# KiCad board element_foxtrot.kicad_pcb
title: VST104 Element Foxtrot; date: 2020-08-20; rev: v1.0; company: VisionSpace Technologies; note: 4 slot flat-sat board with power management
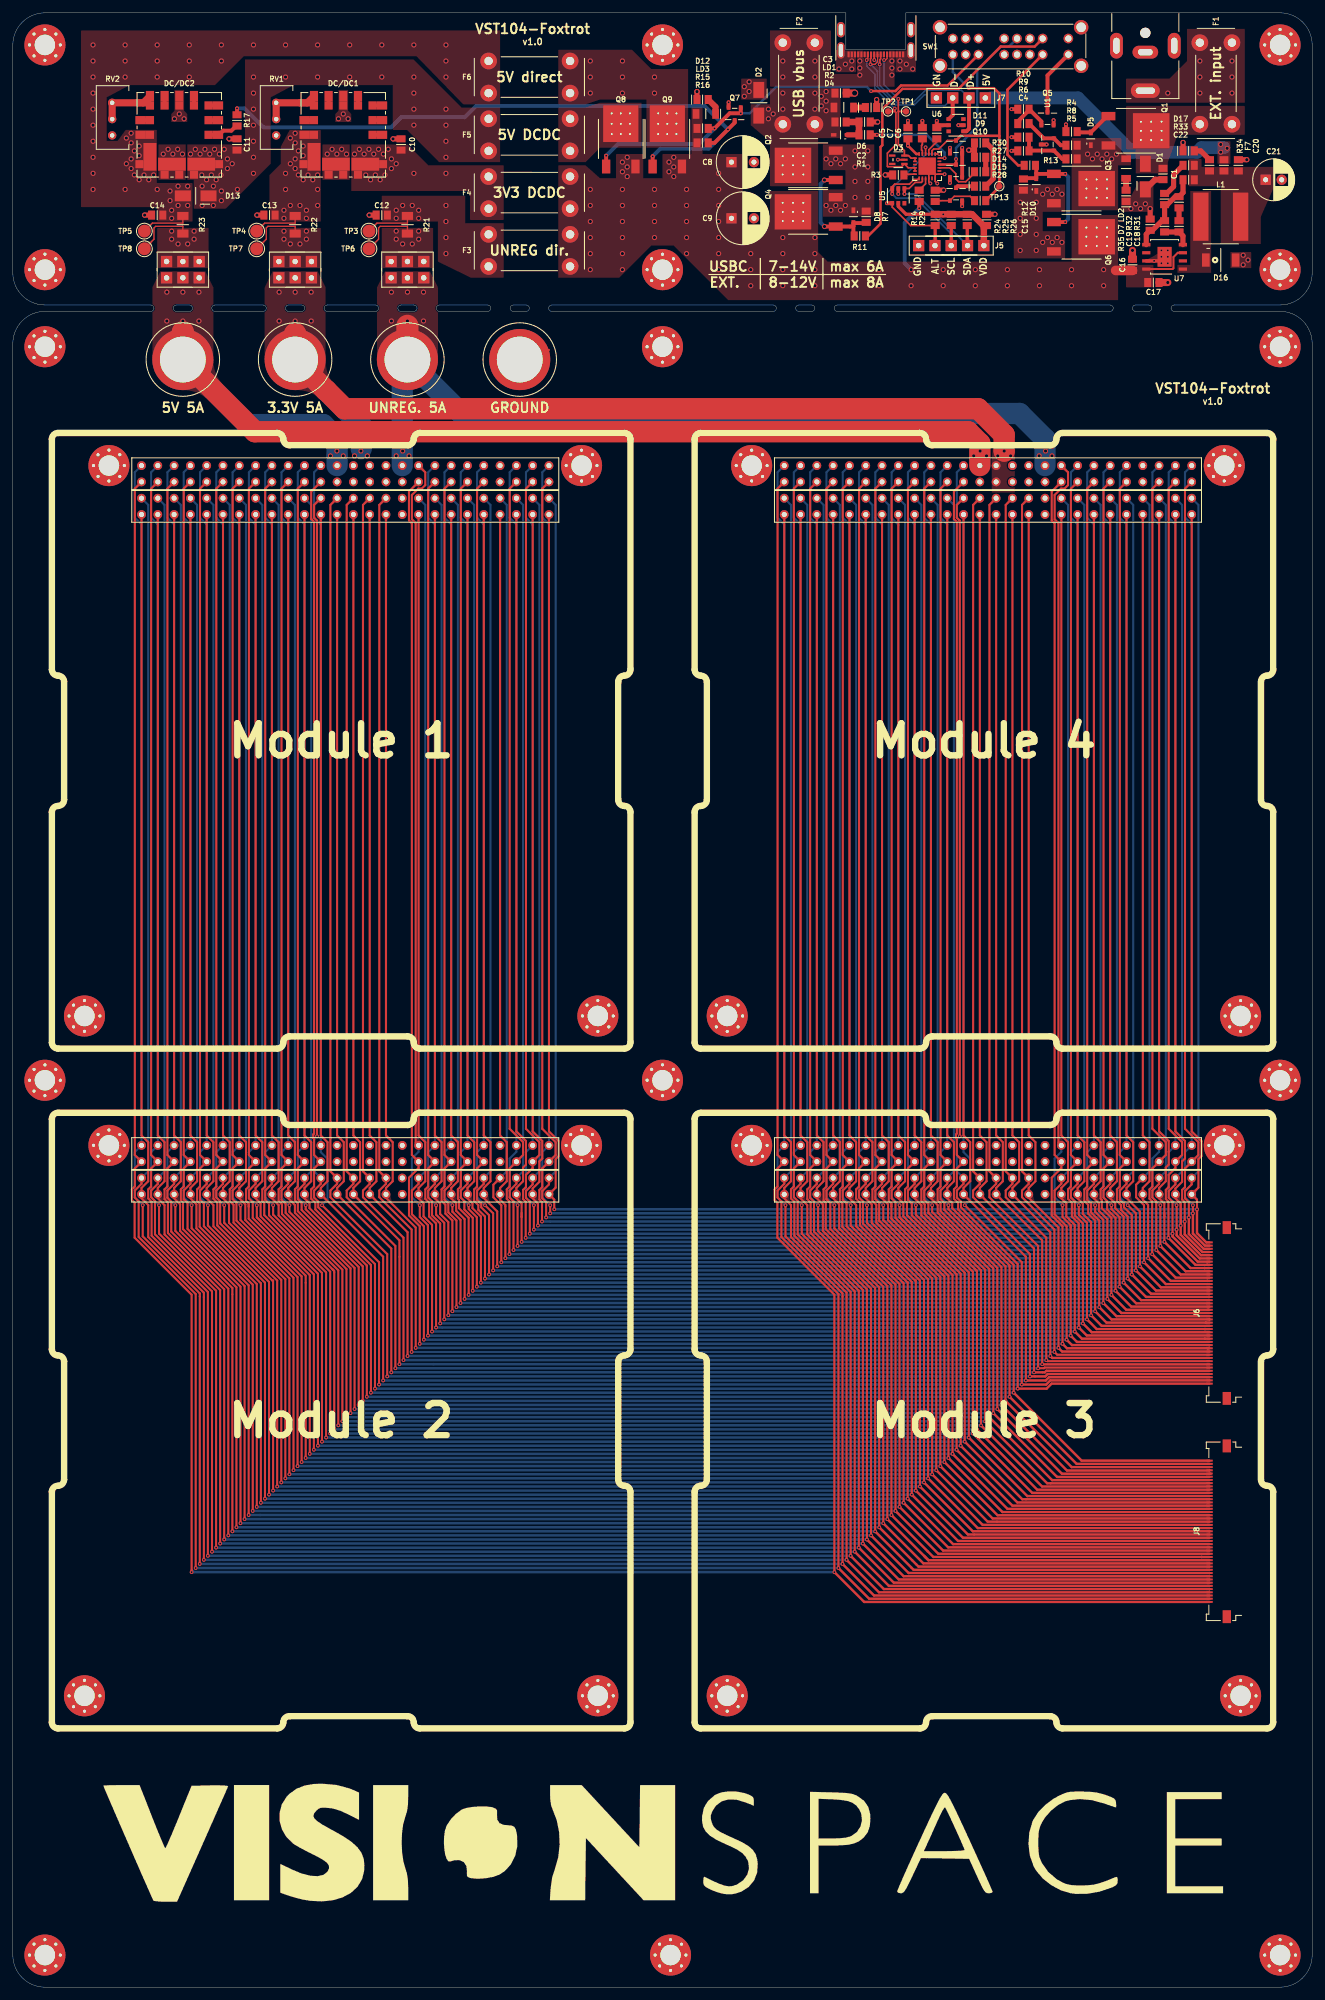
[diagram p0: board, top side]
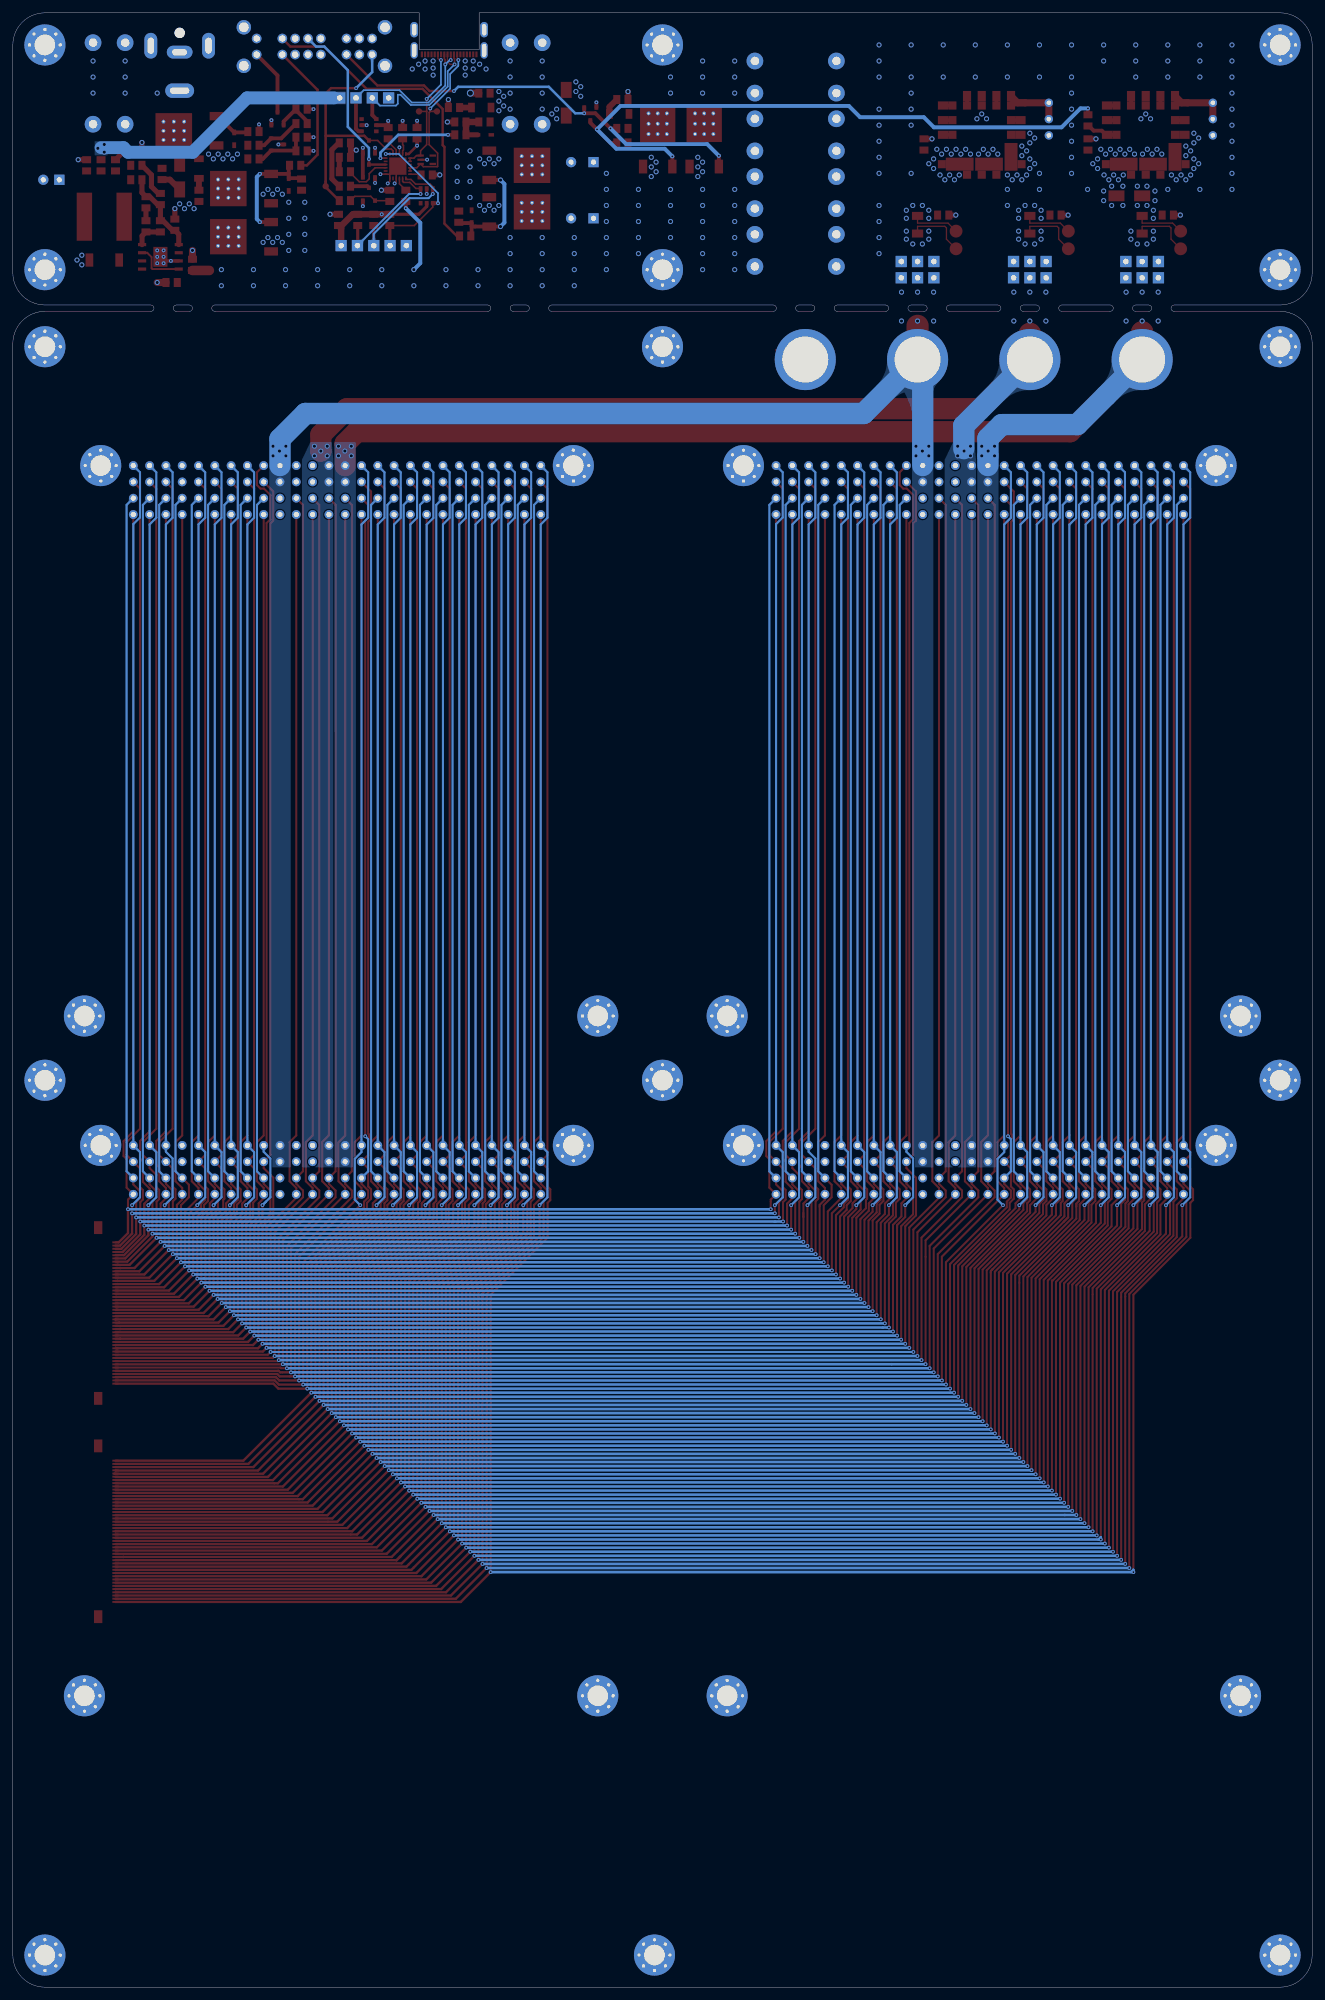
[diagram p1: board, bottom side, seen from below]

Outline 202.5 x 307.5 mm; copper layers: Top, In1.Cu (plane), In2.Cu (plane), Bottom. Coordinates in mm from the lower left corner of the outline.
Outline path: 0,302.5 arc(1.46,306.04) 5,307.5 129.83,307.5 129.83,301.78 139.18,301.78 139.18,307.5 197.5,307.5 arc(201.04,306.04) 202.5,302.5 202.5,267 arc(201.04,263.46) 197.5,262 181,262 arc(180.5,261.5) 181,261 197.5,261 arc(201.04,259.54) 202.5,256 202.5,5 arc(201.04,1.46) 197.5,0 5,0 arc(1.46,1.46) 0,5 0,256 arc(1.46,259.54) 5,261 21.5,261 arc(22,261.5) 21.5,262 5,262 arc(1.46,263.46) 0,267 0,302.5 ; 25.5,261 arc(25,261.5) 25.5,262 27.5,262 arc(28,261.5) 27.5,261 25.5,261 ; 31.5,261 arc(31,261.5) 31.5,262 39,262 arc(39.5,261.5) 39,261 31.5,261 ; 43,261 arc(42.5,261.5) 43,262 45,262 arc(45.5,261.5) 45,261 43,261 ; 49,261 arc(48.5,261.5) 49,262 56.5,262 arc(57,261.5) 56.5,261 49,261 ; 60.5,261 arc(60,261.5) 60.5,262 62.5,262 arc(63,261.5) 62.5,261 60.5,261 ; 66.5,261 arc(66,261.5) 66.5,262 74,262 arc(74.5,261.5) 74,261 66.5,261 ; 78,261 arc(77.5,261.5) 78,262 80,262 arc(80.5,261.5) 80,261 78,261 ; 84,261 arc(83.5,261.5) 84,262 118.5,262 arc(119,261.5) 118.5,261 84,261 ; 122.5,261 arc(122,261.5) 122.5,262 124.5,262 arc(125,261.5) 124.5,261 122.5,261 ; 128.5,261 arc(128,261.5) 128.5,262 171,262 arc(171.5,261.5) 171,261 128.5,261 ; 175,261 arc(174.5,261.5) 175,262 177,262 arc(177.5,261.5) 177,261 175,261

## Placement (name value [footprint] x y rotation side)
C1  100p  [C_SMD_0805]  179.25 282.4 90 top
C2  1u  [C_SMD_0805]  132.75 290.5 180 top
C3  4u7  [C_SMD_0805]  129 295 180 top
C4  1n  [C_SMD_0805]  157.5 286 180 top
C5  1u  [C_SMD_0805]  139.5 288.75 270 top
C6  1u  [C_SMD_0805]  144 288.75 270 top
C7  1u  [C_SMD_0805]  141.75 288.75 270 top
C8  470u  [CP_Radial_D8.0mm_P3.50mm_L11.5mm]  113.75 284.25 0 top
C9  470u  [CP_Radial_D8.0mm_P3.50mm_L11.5mm]  113.75 275.5 0 top
C10  22u  [C_SMD_0805]  60.5 287 90 top
C11  22u  [C_SMD_0805]  34.94 287 90 top
C12  10u  [C_SMD_0805]  57.5 276 180 top
C13  10u  [C_SMD_0805]  40 276 180 top
C14  10u  [C_SMD_0805]  22.5 276 180 top
C15  1u  [C_SMD_0805]  151.75 275.25 90 top
C16  10u  [C_SMD_0805]  174.5 268.25 90 top
C17  220n  [C_SMD_0805]  177.75 265.5 0 top
C18  22n  [C_SMD_0805]  181.75 274.25 90 top
C19  1n  [C_SMD_0805]  179.5 274.25 90 top
C20  10u  [C_SMD_0805]  191 283.75 90 top
C21  220u  [CP_Radial_D6.3mm_P2.50mm_L11.2mm]  196.5 281.5 0 top
C22  2n2  [C_SMD_0805]  183.25 283.75 180 top
D1  SMAJ15CA  [D_SMA_DO-214AC_4.3x2.6mm]  176.5 282 90 top
D2  SMAJ15CA  [D_SMA_DO-214AC_4.3x2.6mm]  116.25 293.5 270 top
D3  ESDA25W5  [SOT-323-5L_2.0x1.25mm]  138 284.62 180 top
D4  BAT54JFILM  [D_SOD-323_1.65x1.28mm]  129 288.5 180 top
D5  DDZ15CSF  [D_SOD-323-F_1.25x1.7mm]  168 287.88 90 top
D6  red  [D_SMD_0805_LED]  133.75 292.75 180 top
D7  red  [D_SMD_0805_LED]  173.5 279 90 top
D8  DDZ15CSF  [D_SOD-323-F_1.25x1.7mm]  131 275.75 270 top
D9  BAV199  [SOT-23-3_2.9x1.3mm]  147 282.87 0 top
D10  DDZ15CSF  [D_SOD-323-F_1.25x1.7mm]  159.5 280.75 90 top
D11  BAV199  [SOT-23-3_2.9x1.3mm]  147 286.62 0 top
D12  green  [D_SMD_0805_LED]  107.5 294 0 top
D13  FM4004W  [D_SMA_DO-214AC_4.3x2.6mm]  28.5 279 180 top
D14  yellow  [D_SMD_0805_LED]  150.75 282.75 0 top
D15  blue  [D_SMD_0805_LED]  150.75 280.5 0 top
D16  STPS3L60UFN  [D_SMB-FN_DO-214AA-FN]  188.25 269 0 top
D17  green  [D_SMD_0805_LED]  183.25 286 0 top
DC/DC1  -  [OKL-T6-W12]  51.5 288.5 180 top
DC/DC2  -  [OKL-T6-W12]  25.94 288.5 180 top
F1  10A  [FUSE_2AG_01110501Z]  187.5 296.5 90 top
F2  10A  [FUSE_2AG_01110501Z]  122.5 296.5 90 top
F3  5A  [FUSE_2AG_01110501Z]  80.5 270.5 0 top
F4  5A  [FUSE_2AG_01110501Z]  80.5 279.5 0 top
F5  5A  [FUSE_2AG_01110501Z]  80.5 288.5 0 top
F6  5A  [FUSE_2AG_01110501Z]  80.5 297.5 0 top
F7  2A1  [C_SMD_0805]  188.75 283.75 270 top
G***  LOGO  [VST_logo_vertical_174.5mm]  101.25 22.5 0 top
H1  MountingHole_Pad  [MountingHole_3.2mm_M3_Pad_Via]  197.5 302.5 0 top
H2  MountingHole_Pad  [MountingHole_3.2mm_M3_Pad_Via]  197.5 267.5 0 top
H3  MountingHole_Pad  [MountingHole_3.2mm_M3_Pad_Via]  101.25 302.5 0 top
H4  MountingHole_Pad  [MountingHole_3.2mm_M3_Pad_Via]  101.25 267.5 0 top
H5  MountingHole_Pad  [MountingHole_3.2mm_M3_Pad_Via]  5 302.5 0 top
H6  MountingHole_Pad  [MountingHole_3.2mm_M3_Pad_Via]  5 267.5 0 top
H7  MountingHole_Pad  [MountingHole_3.2mm_M3_Pad_Via]  197.5 255.5 270 top
H8  MountingHole_Pad  [MountingHole_3.2mm_M3_Pad_Via]  101.25 255.5 270 top
H9  MountingHole_Pad  [MountingHole_3.2mm_M3_Pad_Via]  5 255.5 270 top
H10  MountingHole_Pad  [MountingHole_3.2mm_M3_Pad_Via]  197.5 141.25 270 top
H11  MountingHole_Pad  [MountingHole_3.2mm_M3_Pad_Via]  101.25 141.25 270 top
H12  MountingHole_Pad  [MountingHole_3.2mm_M3_Pad_Via]  5 141.25 270 top
H13  MountingHole_Pad  [MountingHole_3.2mm_M3_Pad_Via]  5 5 0 top
H14  MountingHole_Pad  [MountingHole_3.2mm_M3_Pad_Via]  102.5 5 0 top
H15  MountingHole_Pad  [MountingHole_3.2mm_M3_Pad_Via]  197.5 5 0 top
J1  Ext_Power  [PJ-063AH]  176.5 295.38 90 top
J2  -  [TSW-103-07-x-D]  61.5 267.5 180 top
J3  -  [TSW-103-07-x-D]  44 267.5 180 top
J4  -  [TSW-103-07-x-D]  26.5 267.5 180 top
J5  Program  [TSW-105-07-x-S]  146.25 271.25 180 top
J6  Conn_01x45  [conn_FPC_45x0.5_505110-4591]  187 94 90 top
J7  USB  [TSW-104-07-x-S]  147.75 294.25 180 top
J8  Conn_01x45  [conn_FPC_45x0.5_505110-4591]  187 60 90 top
L1  22u  [L_SMD_8040_8.0x8.0x4.2mm]  188.25 275.75 0 top
LD1  AL5809  [Power-DI-123_2.8x1.8x1mm]  129.5 292.75 180 top
LD2  AL5809  [Power-DI-123_2.8x1.8x1mm]  173.5 283.25 90 top
LD3  AL5809  [Power-DI-123_2.8x1.8x1mm]  108 291.75 180 top
Module 1  PC104_module  [PC104_footprint]  6.09 146.18 0 top
Module 2  PC104_module  [PC104_footprint]  6.09 40.3 0 top
Module 3  PC104_module  [PC104_footprint]  106.25 40.3 0 top
Module 4  PC104_module  [PC104_footprint]  106.25 146.18 0 top
P1  -  [CX90M-16P]  134.5 304.88 180 top
Q1  SQD40061EL  [TO-252AA_6.5x6.1mm]  170.75 289.13 270 top
Q2  SQD40061EL  [TO-252AA_6.5x6.1mm]  128.25 283.75 90 top
Q3  SQD40061EL  [TO-252AA_6.5x6.1mm]  162.25 280.13 270 top
Q4  SQD40061EL  [TO-252AA_6.5x6.1mm]  128.25 276.5 90 top
Q5  2N7002BK  [SOT-23-3_2.9x1.3mm]  161.25 291 0 top
Q6  SQD40061EL  [TO-252AA_6.5x6.1mm]  162.25 272.63 270 top
Q7  2N7002BK  [SOT-23-3_2.9x1.3mm]  112.5 291.75 180 top
Q8  SQD40061EL  [TO-252AA_6.5x6.1mm]  94.75 283.56 0 top
Q9  SQD40061EL  [TO-252AA_6.5x6.1mm]  102 283.56 0 top
Q10  2N7002BK  [SOT-23-3_2.9x1.3mm]  147 279.25 0 top
R1  1k  [R_SMD_0805]  132.75 288.5 0 top
R2  470  [R_SMD_0805]  129 290.5 0 top
R3  100k  [R_SMD_0805]  138 282.25 0 top
R4  10k  [R_SMD_0805]  165 289 180 top
R5  47k  [R_SMD_0805]  165 284.75 180 top
R6  5k23  [R_SMD_0805]  157.5 288.13 180 top
R7  100k  [R_SMD_0805]  133 275.75 270 top
R8  20k  [R_SMD_0805]  165 286.88 180 top
R9  100k  [R_SMD_0805]  157.5 290.25 180 top
R10  100k  [R_SMD_0805]  157.5 292.5 180 top
R11  22k  [R_SMD_0805]  132 272.75 0 top
R12  100k  [R_SMD_0805]  157.5 280.75 90 top
R13  22k  [R_SMD_0805]  158.5 283.75 180 top
R14  1k  [R_SMD_0805]  141.25 279 270 top
R15  100k  [R_SMD_0805]  107.5 289.5 0 top
R16  100k  [R_SMD_0805]  107.5 287.25 0 top
R17  100  [R_SMD_0805]  34.94 290.75 90 top
R21  0  [R_SMD_1206]  61.5 274.5 90 top
R22  0  [R_SMD_1206]  44 274.5 90 top
R23  0  [R_SMD_1206]  26.5 274.5 90 top
R24  10k  [R_SMD_0805]  143.75 275.25 270 top
R25  10k  [R_SMD_0805]  146.25 275.25 270 top
R26  10k  [R_SMD_0805]  148.75 275.25 270 top
R27  150  [R_SMD_0805]  150.75 285 0 top
R28  100k  [R_SMD_0805]  150.75 278.25 0 top
R29  100k  [R_SMD_0805]  143.75 279 90 top
R30  100  [R_SMD_0805]  150.75 287.25 0 top
R31  1k  [R_SMD_0805]  181.75 278 270 top
R32  100  [R_SMD_0805]  179.5 278.5 90 top
R33  5k1  [R_SMD_0805]  183.25 281.5 0 top
R34  1k2  [R_SMD_0805]  186.5 283.75 90 top
R35  698  [R_SMD_0805]  177.25 274.5 270 top
RV1  3k3  [trimer_3296W_10.0x9.5x10.0]  41.04 290.95 0 top
RV2  3k3  [trimer_3296W_10.0x9.5x10.0]  15.48 290.95 0 top
SW1  EG4319A  [EG4319]  164.5 303.5 180 top
TP1  TestPoint  [scope_PAD_1mm]  139.2 292.15 0 top
TP2  TestPoint  [scope_PAD_1mm]  136.4 292.15 0 top
TP3  TestPoint_Alt  [scope_PAD_2mm]  55.5 273.5 0 top
TP4  TestPoint_Alt  [scope_PAD_2mm]  38 273.5 0 top
TP5  TestPoint_Alt  [scope_PAD_2mm]  20.5 273.5 0 top
TP6  TestPoint_Alt  [scope_PAD_2mm]  55.5 270.75 0 top
TP7  TestPoint_Alt  [scope_PAD_2mm]  38 270.75 0 top
TP8  TestPoint_Alt  [scope_PAD_2mm]  20.5 270.75 0 top
TP9  TestPoint_Alt  [KSE_PN6095]  61.5 253.5 0 top
TP10  TestPoint_Alt  [KSE_PN6095]  26.49 253.5 0 top
TP11  TestPoint_Alt  [KSE_PN6095]  44 253.5 0 top
TP12  TestPoint_Alt  [KSE_PN6095]  79 253.5 0 top
TP13  TestPoint  [scope_PAD_1mm]  153.74 280.5 0 top
U1  TL432AIDBZR  [SOT-23-3_2.9x1.3mm]  161.25 287 90 top
U2  STUSB4500QTR  [QFN-24_4.0x4.0mm_EP]  142.5 283.62 0 top
U5  USBLC6-4  [SOT-23-6L_2.9x1.6mm]  138 279 270 top
U6  USBLC6-4  [SOT-23-6L_2.9x1.6mm]  147 290 0 top
U7  L7985  [HSOP8_3.9x4.9mm_EP]  179.5 269.5 180 top

## Footprints (pads in the part's own frame, mm; a bottom-side part is the same pattern mirrored in y, then rotated)
C_SMD_0805
  rect 1.1x1.4 smd: 1(-0.875,0) 2(0.875,0)
conn_FPC_45x0.5_505110-4591
  rect 0.3x1 smd: 1(0,0.5) 2(0.5,0.5) 3(1,0.5) 4(1.5,0.5) 5(2,0.5) 6(2.5,0.5) 7(3,0.5) 8(3.5,0.5) 9(4,0.5) 10(4.5,0.5) 11(5,0.5) 12(5.5,0.5) 13(6,0.5) 14(6.5,0.5) 15(7,0.5) 16(7.5,0.5) 17(8,0.5) 18(8.5,0.5) 19(9,0.5) 20(9.5,0.5) 21(10,0.5) 22(10.5,0.5) 23(11,0.5) 24(11.5,0.5) 25(12,0.5) 26(12.5,0.5) 27(13,0.5) 28(13.5,0.5) 29(14,0.5) 30(14.5,0.5) 31(15,0.5) 32(15.5,0.5) 33(16,0.5) 34(16.5,0.5) 35(17,0.5) 36(17.5,0.5) 37(18,0.5) 38(18.5,0.5) 39(19,0.5) 40(19.5,0.5) 41(20,0.5) 42(20.5,0.5) 43(21,0.5) 44(21.5,0.5) 45(22,0.5)
  rect 2x1.3 smd: MP(-2.3,-2.2) MP(24.3,-2.2)
CP_Radial_D6.3mm_P2.50mm_L11.2mm
  rect 1.6x1.6 hole 0.8: 1(-1.25,0)
  round 1.6 hole 0.8: 2(1.25,0)
CP_Radial_D8.0mm_P3.50mm_L11.5mm
  rect 1.6x1.6 hole 0.8: 1(-1.75,0)
  round 1.6 hole 0.8: 2(1.75,0)
CX90M-16P
  rect 0.35x0.9 smd: A1(-3.75,3.85) A4(-2.75,3.85) A5(-1.75,3.85) A6(-0.75,3.85) A7(0.75,3.85) A8(1.75,3.85) A9(2.75,3.85) A12(3.75,3.85) B1(3.25,3.85) B4(2.25,3.85) B5(1.25,3.85) B6(0.25,3.85) B7(-0.25,3.85) B8(-1.25,3.85) B9(-2.25,3.85) B12(-3.25,3.85) MID(-4.25,3.85) MID(4.25,3.85)
  oval 1.1x2.55 hole 0.65x2.05: MH(-5.45,3.23) MH(5.45,3.23)
  oval 1.2x2.4 hole 0.65x1.8: MH(-5.45,0) MH(5.45,0)
D_SMA_DO-214AC_4.3x2.6mm
  rect 2.5x1.7 smd: 1(-2,0) 2(2,0)
D_SMB-FN_DO-214AA-FN
  rect 1.2x2.07 smd: 1(-2.32,0) 2(2.32,0)
D_SMD_0805_LED
  rect 1.1x1.4 smd: 1(-0.875,0) 2(0.875,0)
D_SOD-323-F_1.25x1.7mm
  rect 0.9x0.6 smd: 1(-0.995,0) 2(0.995,0)
D_SOD-323_1.65x1.28mm
  rect 0.86x0.54 smd: 1(-1.07,0) 2(1.07,0)
EG4319
  round 1.5 hole 1: 1(0,0) 2(4,0) 3(6,0) 4(8,0) 5(10,0) 6(14,0) 7(16,0) 8(18,0) 9(0,2.5) 10(4,2.5) 11(6,2.5) 12(8,2.5) 13(10,2.5) 14(14,2.5) 15(16,2.5) 16(18,2.5)
  round 2.25 hole 1.5: MP(-2,4.25) MP(-2,-1.75) MP(20,4.25) MP(20,-1.75)
FUSE_2AG_01110501Z
  round 2.6 hole 1.3: 1(-6.35,2.5) 1(-6.35,-2.5) 2(6.35,2.5) 2(6.35,-2.5)
HSOP8_3.9x4.9mm_EP
  rect 2x1.35 smd: (0,0.775) (0,-0.775)
  rect 1.27x0.5 smd: 1(-2.858,1.905) 2(-2.858,0.635) 3(-2.858,-0.635) 4(-2.858,-1.905) 5(2.858,-1.905) 6(2.858,-0.635) 7(2.858,0.635) 8(2.858,1.905)
  rect 2.2x3.1 smd: 25(0,0)
KSE_PN6095
  round 9.52 hole 7.14: 1(0,0)
L_SMD_8040_8.0x8.0x4.2mm
  rect 2.4x1.5 smd: (-3.1,3) (-3.1,1) (-3.1,-1) (-3.1,-3) (3.1,3) (3.1,1) (3.1,-1) (3.1,-3)
  rect 2.4x7.5 smd: 1(-3.1,0) 2(3.1,0)
MountingHole_3.2mm_M3_Pad_Via
  round 0.8 hole 0.5: 1(-2.4,0) 1(-1.697,1.697) 1(-1.697,-1.697) 1(0,2.4) 1(0,-2.4) 1(1.697,1.697) 1(1.697,-1.697) 1(2.4,0)
  round 6.4 hole 3.2: 1(0,0)
OKL-T6-W12
  rect 1.63x1.27 smd: 1(-6.02,0) 5(6.02,0) 9(-6.02,-4.57) 10(-6.02,-2.29) 11(6.02,-2.29)
  rect 1.27x1.27 smd: 1(-4.57,0) 5(4.57,0) 6(4.57,-4.57) 7(0,-4.57) 8(-2.29,-4.57) 9(-4.57,-4.57) 10(-4.57,-2.29) 11(4.57,-2.29) 12(2.29,-4.57)
  rect 1.25x1.27 smd: 2(-6.21,4.57) 4(6.21,4.57)
  rect 4.32x2.03 smd: 2(-3.43,4.57) 3(1.14,4.57)
  rect 1.27x1.25 smd: 2(-2.29,6.21) 3(0,6.21) 3(2.29,6.21)
  rect 2.03x4.32 smd: 4(4.57,3.43)
  rect 1.27x1.63 smd: 6(4.57,-6.02) 7(0,-6.02) 8(-2.29,-6.02) 12(2.29,-6.02)
PC104_footprint
  round 1.365 hole 0.8: H1_1(13.97,83.185) H1_2(13.97,85.725) H1_3(16.51,83.185) H1_4(16.51,85.725) H1_5(19.05,83.185) H1_6(19.05,85.725) H1_7(21.59,83.185) H1_8(21.59,85.725) H1_9(24.13,83.185) H1_10(24.13,85.725) H1_11(26.67,83.185) H1_12(26.67,85.725) H1_13(29.21,83.185) H1_14(29.21,85.725) H1_15(31.75,83.185) H1_16(31.75,85.725) H1_17(34.29,83.185) H1_18(34.29,85.725) H1_19(36.83,83.185) H1_20(36.83,85.725) H1_21(39.37,83.185) H1_22(39.37,85.725) H1_23(41.91,83.185) H1_24(41.91,85.725) H1_25(44.45,83.185) H1_26(44.45,85.725) H1_27(46.99,83.185) H1_28(46.99,85.725) H1_29(49.53,83.185) H1_30(49.53,85.725) H1_31(52.07,83.185) H1_32(52.07,85.725) H1_33(54.61,83.185) H1_34(54.61,85.725) H1_35(57.15,83.185) H1_36(57.15,85.725) H1_37(59.69,83.185) H1_38(59.69,85.725) H1_39(62.23,83.185) H1_40(62.23,85.725) H1_41(64.77,83.185) H1_42(64.77,85.725) H1_43(67.31,83.185) H1_44(67.31,85.725) H1_45(69.85,83.185) H1_46(69.85,85.725) H1_47(72.39,83.185) H1_48(72.39,85.725) H1_49(74.93,83.185) H1_50(74.93,85.725) H1_51(77.47,83.185) H1_52(77.47,85.725) H2_1(13.97,88.265) H2_2(13.97,90.805) H2_3(16.51,88.265) H2_4(16.51,90.805) H2_5(19.05,88.265) H2_6(19.05,90.805) H2_7(21.59,88.265) H2_8(21.59,90.805) H2_9(24.13,88.265) H2_10(24.13,90.805) H2_11(26.67,88.265) H2_12(26.67,90.805) H2_13(29.21,88.265) H2_14(29.21,90.805) H2_15(31.75,88.265) H2_16(31.75,90.805) H2_17(34.29,88.265) H2_18(34.29,90.805) H2_19(36.83,88.265) H2_20(36.83,90.805) H2_21(39.37,88.265) H2_22(39.37,90.805) H2_23(41.91,88.265) H2_24(41.91,90.805) H2_25(44.45,88.265) H2_26(44.45,90.805) H2_27(46.99,88.265) H2_28(46.99,90.805) H2_29(49.53,88.265) H2_30(49.53,90.805) H2_31(52.07,88.265) H2_32(52.07,90.805) H2_33(54.61,88.265) H2_34(54.61,90.805) H2_35(57.15,88.265) H2_36(57.15,90.805) H2_37(59.69,88.265) H2_38(59.69,90.805) H2_39(62.23,88.265) H2_40(62.23,90.805) H2_41(64.77,88.265) H2_42(64.77,90.805) H2_43(67.31,88.265) H2_44(67.31,90.805) H2_45(69.85,88.265) H2_46(69.85,90.805) H2_47(72.39,88.265) H2_48(72.39,90.805) H2_49(74.93,88.265) H2_50(74.93,90.805) H2_51(77.47,88.265) H2_52(77.47,90.805)
  round 0.8 hole 0.5: MH1(6.49,90.805) MH1(7.193,92.502) MH1(7.193,89.108) MH1(8.89,93.205) MH1(8.89,88.405) MH1(10.587,92.502) MH1(10.587,89.108) MH1(11.29,90.805) MH2(80.15,90.805) MH2(80.853,92.502) MH2(80.853,89.108) MH2(82.55,93.205) MH2(82.55,88.405) MH2(84.247,92.502) MH2(84.247,89.108) MH2(84.95,90.805) MH3(2.68,5.08) MH3(3.383,6.777) MH3(3.383,3.383) MH3(5.08,7.48) MH3(5.08,2.68) MH3(6.777,6.777) MH3(6.777,3.383) MH3(7.48,5.08) MH4(82.69,5.08) MH4(83.393,6.777) MH4(83.393,3.383) MH4(85.09,7.48) MH4(85.09,2.68) MH4(86.787,6.777) MH4(86.787,3.383) MH4(87.49,5.08)
  round 6.4 hole 3.2: MH1(8.89,90.805) MH2(82.55,90.805) MH3(5.08,5.08) MH4(85.09,5.08)
PJ-063AH
  round 1.6 hole 1.6 unplated: (9,0)
  oval 2.25x4.5 hole 1x3: 1(0,0)
  oval 2x4 hole 1x2.3: 2(6,0)
  oval 4x2 hole 2.5x1: MP(7,4.5) MP(7,-4.5)
Power-DI-123_2.8x1.8x1mm
  rect 1.05x1.5 smd: 1(-1.525,0) 2(1.525,0)
QFN-24_4.0x4.0mm_EP
  rect 1.2x1.2 smd: (-0.675,0.675) (-0.675,-0.675) (0.675,0.675) (0.675,-0.675)
  rect 0.6x0.25 smd: 1(-1.9,1.25) 2(-1.9,0.75) 3(-1.9,0.25) 4(-1.9,-0.25) 5(-1.9,-0.75) 6(-1.9,-1.25) 13(1.9,-1.25) 14(1.9,-0.75) 15(1.9,-0.25) 16(1.9,0.25) 17(1.9,0.75) 18(1.9,1.25)
  rect 0.25x0.6 smd: 7(-1.25,-1.9) 8(-0.75,-1.9) 9(-0.25,-1.9) 10(0.25,-1.9) 11(0.75,-1.9) 12(1.25,-1.9) 19(1.25,1.9) 20(0.75,1.9) 21(0.25,1.9) 22(-0.25,1.9) 23(-0.75,1.9) 24(-1.25,1.9)
  rect 2.7x2.7 smd: 25(0,0)
R_SMD_0805
  rect 1.1x1.4 smd: 1(-0.875,0) 2(0.875,0)
R_SMD_1206
  rect 1.25x1.75 smd: 1(-1.375,0) 2(1.375,0)
scope_PAD_1mm
  round 1 smd: 1(0,0)
scope_PAD_2mm
  round 2 smd: 1(0,0)
SOT-23-3_2.9x1.3mm
  rect 0.6x0.7 smd: 1(-0.95,-1) 2(0.95,-1) 3(0,1)
SOT-23-6L_2.9x1.6mm
  rect 0.7x0.6 smd: 1(-1.15,0.95) 2(-1.15,0) 3(-1.15,-0.95) 4(1.15,-0.95) 5(1.15,0) 6(1.15,0.95)
SOT-323-5L_2.0x1.25mm
  rect 1x0.35 smd: 1(-0.95,0.65) 2(-0.95,0) 3(-0.95,-0.65) 4(0.95,-0.65) 5(0.95,0.65)
TO-252AA_6.5x6.1mm
  rect 1.12x1.15 smd: (-1.98,8.69) (-1.98,7.34) (-1.98,5.99) (-1.98,4.64) (-0.66,8.69) (-0.66,7.34) (-0.66,5.99) (-0.66,4.64) (0.66,8.69) (0.66,7.34) (0.66,5.99) (0.66,4.64) (1.98,8.69) (1.98,7.34) (1.98,5.99) (1.98,4.64)
  rect 1.3x2.15 smd: 1(-2.285,0) 2(2.285,0)
  round 0.6 hole 0.3: 3(-1.423,8.274) 3(-1.423,6.665) 3(-1.423,5.056) 3(0,8.274) 3(0,6.665) 3(0,5.056) 3(1.423,8.274) 3(1.423,6.665) 3(1.423,5.056)
  rect 5.5x5.7 smd: 3(0,6.665)
trimer_3296W_10.0x9.5x10.0
  round 1.3 hole 0.7: 1(0,-2.54) 2(0,0) 3(0,2.54)
TSW-103-07-x-D
  rect 1.75x1.75 hole 0.85: 1(-2.54,-1.27) 2(-2.54,1.27) 3(0,-1.27) 4(0,1.27) 5(2.54,-1.27) 6(2.54,1.27)
TSW-104-07-x-S
  rect 1.75x1.75 hole 0.85: 1(-3.81,0) 2(-1.27,0) 3(1.27,0) 4(3.81,0)
TSW-105-07-x-S
  rect 1.75x1.75 hole 0.85: 1(-5.08,0) 2(-2.54,0) 3(0,0) 4(2.54,0) 5(5.08,0)

## Nets
+5V: F7.1 J7.1 R27.1 R30.1 U6.5
GND: C1.1 C2.1 C3.1 C4.2 C5.1 C6.1 C7.1 C8.2 C9.2 C10.2 C11.2 C12.2 C13.2 C14.2 C15.2 C16.2 C17.2 C20.2 C21.2 D1.1 D2.1 D3.2 D6.1 D7.1 D9.1 D11.1 D12.1 D16.2 D17.1 DC/DC1.3 DC/DC1.7 DC/DC2.3 DC/DC2.7 J1.2 J1.MP J5.5 J7.4 Module 1.H1_33 Module 1.H1_34 Module 1.H2_29 Module 1.H2_30 Module 1.H2_31 Module 1.H2_32 Module 2.H1_33 Module 2.H1_34 Module 2.H2_29 Module 2.H2_30 Module 2.H2_31 Module 2.H2_32 Module 3.H1_33 Module 3.H1_34 Module 3.H2_29 Module 3.H2_30 Module 3.H2_31 Module 3.H2_32 Module 4.H1_33 Module 4.H1_34 Module 4.H2_29 Module 4.H2_30 Module 4.H2_31 Module 4.H2_32 P1.A1 P1.A12 P1.B1 P1.B12 P1.MH P1.MID Q5.2 Q7.2 Q10.2 R3.1 R4.2 R6.2 R10.2 R29.2 R35.1 RV1.1 RV2.1 SW1.13 SW1.15 TP12.1 U1.3 U2.10 U2.12 U2.13 U2.25 U5.2 U6.2 U7.7 U7.25
VBUS: C3.2 D2.2 D4.2 F2.1 LD1.2 Q2.3 R2.1
VDD: C15.1 J5.1 R24.1 R25.1 R26.1 U2.22 U5.5
/ALTER: J5.4 R24.2 U2.19 U5.4
/CC1: D3.3 P1.A5 TP1.1 U2.1 U2.2
/CC2: D3.1 P1.B5 TP2.1 U2.4 U2.5
/GPIO: D14.1 U2.15
/H1-1: J8.4 Module 1.H1_1 Module 2.H1_1 Module 3.H1_1 Module 4.H1_1
/H1-2: J8.2 Module 1.H1_2 Module 2.H1_2 Module 3.H1_2 Module 4.H1_2
/H1-3: J8.8 Module 1.H1_3 Module 2.H1_3 Module 3.H1_3 Module 4.H1_3
/H1-4: J8.6 Module 1.H1_4 Module 2.H1_4 Module 3.H1_4 Module 4.H1_4
/H1-5: J8.12 Module 1.H1_5 Module 2.H1_5 Module 3.H1_5 Module 4.H1_5
/H1-6: J8.10 Module 1.H1_6 Module 2.H1_6 Module 3.H1_6 Module 4.H1_6
/H1-7: J8.16 Module 1.H1_7 Module 2.H1_7 Module 3.H1_7 Module 4.H1_7
/H1-8: J8.14 Module 1.H1_8 Module 2.H1_8 Module 3.H1_8 Module 4.H1_8
/H1-9: J8.20 Module 1.H1_9 Module 2.H1_9 Module 3.H1_9 Module 4.H1_9
/H1-10: J8.18 Module 1.H1_10 Module 2.H1_10 Module 3.H1_10 Module 4.H1_10
/H1-11: J8.24 Module 1.H1_11 Module 2.H1_11 Module 3.H1_11 Module 4.H1_11
/H1-12: J8.22 Module 1.H1_12 Module 2.H1_12 Module 3.H1_12 Module 4.H1_12
/H1-13: J8.28 Module 1.H1_13 Module 2.H1_13 Module 3.H1_13 Module 4.H1_13
/H1-14: J8.26 Module 1.H1_14 Module 2.H1_14 Module 3.H1_14 Module 4.H1_14
/H1-15: J8.32 Module 1.H1_15 Module 2.H1_15 Module 3.H1_15 Module 4.H1_15
/H1-16: J8.30 Module 1.H1_16 Module 2.H1_16 Module 3.H1_16 Module 4.H1_16
/H1-17: J8.36 Module 1.H1_17 Module 2.H1_17 Module 3.H1_17 Module 4.H1_17
/H1-18: J8.34 Module 1.H1_18 Module 2.H1_18 Module 3.H1_18 Module 4.H1_18
/H1-19: J8.40 Module 1.H1_19 Module 2.H1_19 Module 3.H1_19 Module 4.H1_19
/H1-20: J8.38 Module 1.H1_20 Module 2.H1_20 Module 3.H1_20 Module 4.H1_20
/H1-21: J8.44 Module 1.H1_21 Module 2.H1_21 Module 3.H1_21 Module 4.H1_21
/H1-22: J8.42 Module 1.H1_22 Module 2.H1_22 Module 3.H1_22 Module 4.H1_22
/H1-23: J6.3 Module 1.H1_23 Module 2.H1_23 Module 3.H1_23 Module 4.H1_23
/H1-24: J6.1 Module 1.H1_24 Module 2.H1_24 Module 3.H1_24 Module 4.H1_24
/H1-25: J6.5 Module 1.H1_25 Module 2.H1_25 Module 3.H1_25 Module 4.H1_25
/H1-26: J6.4 Module 1.H1_26 Module 2.H1_26 Module 3.H1_26 Module 4.H1_26
/H1-27: J6.7 Module 1.H1_27 Module 2.H1_27 Module 3.H1_27 Module 4.H1_27
/H1-28: J6.6 Module 1.H1_28 Module 2.H1_28 Module 3.H1_28 Module 4.H1_28
/H1-29: J6.9 Module 1.H1_29 Module 2.H1_29 Module 3.H1_29 Module 4.H1_29
/H1-30: J6.8 Module 1.H1_30 Module 2.H1_30 Module 3.H1_30 Module 4.H1_30